# KiCad board demo_matrix2.kicad_pcb (continued)
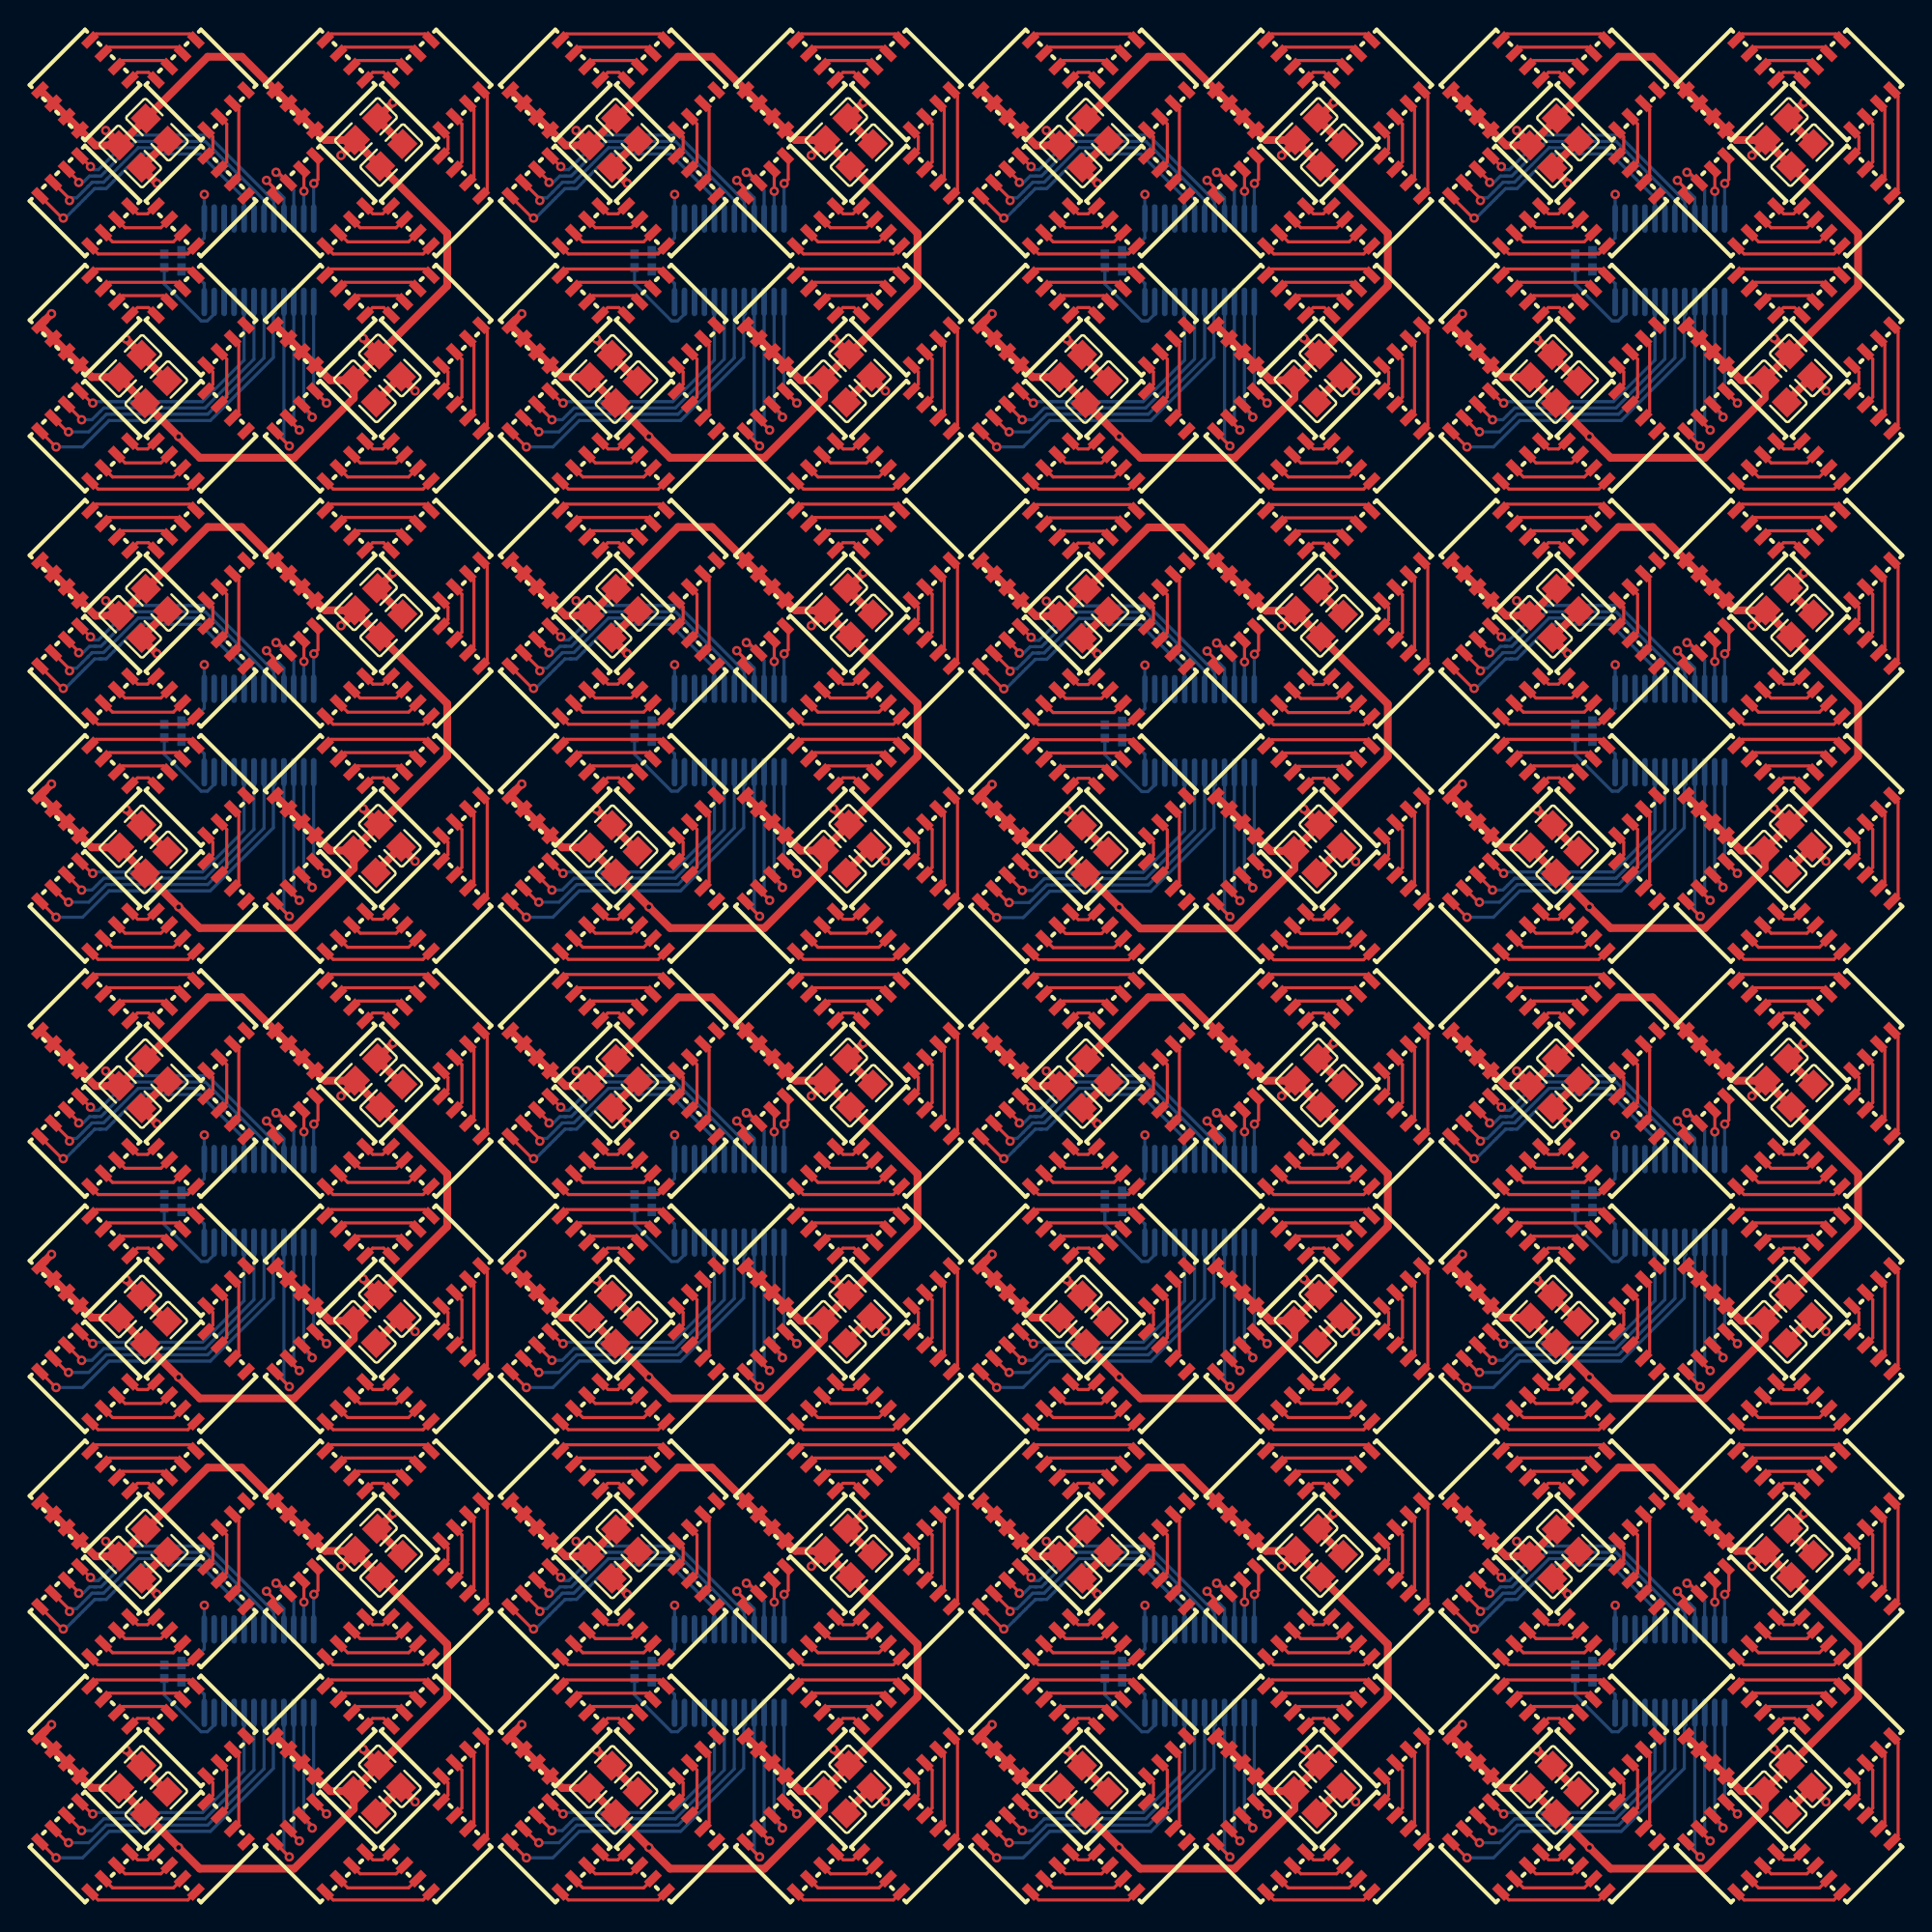
[diagram p0: board, top side]
## Library data of the parts (continued)
LED217 = -: checksum: e446e81c9134d5c555a63f060b9202a9b60d4ef2d8a367ccab16672341e18d4c; __atopile_lib_fp_hash__: b02e2b3c-4bf2-9369-a59f-e82a4e47fbab; LCSC: C22470444; Manufacturer: HONGLITRONIC); Partnumber: HL-5050RGBW-S1-A27; atopile_address: clusters[13].rows[1].pixels[0].rgbs[0].rgbw.package; atopile_subaddresses: [elec/layout/cluster2x2/cluster2x2.kicad_pcb:rows[1].pixels[0].rgbs[0].rgbw.package, elec/layout/pixel15hl5050/pixel15hl5050.kicad_pcb:rgbs[0].rgbw.package, elec/layout/row2/row2.kicad_pcb:pixels[0].rgbs[0].rgbw.package]
LED218 = -: checksum: e446e81c9134d5c555a63f060b9202a9b60d4ef2d8a367ccab16672341e18d4c; __atopile_lib_fp_hash__: b02e2b3c-4bf2-9369-a59f-e82a4e47fbab; LCSC: C22470444; Manufacturer: HONGLITRONIC); Partnumber: HL-5050RGBW-S1-A27; atopile_address: clusters[13].rows[1].pixels[0].rgbs[1].rgbw.package; atopile_subaddresses: [elec/layout/cluster2x2/cluster2x2.kicad_pcb:rows[1].pixels[0].rgbs[1].rgbw.package, elec/layout/pixel15hl5050/pixel15hl5050.kicad_pcb:rgbs[1].rgbw.package, elec/layout/row2/row2.kicad_pcb:pixels[0].rgbs[1].rgbw.package]
LED219 = -: checksum: e446e81c9134d5c555a63f060b9202a9b60d4ef2d8a367ccab16672341e18d4c; __atopile_lib_fp_hash__: b02e2b3c-4bf2-9369-a59f-e82a4e47fbab; LCSC: C22470444; Manufacturer: HONGLITRONIC); Partnumber: HL-5050RGBW-S1-A27; atopile_address: clusters[13].rows[1].pixels[0].rgbs[2].rgbw.package; atopile_subaddresses: [elec/layout/cluster2x2/cluster2x2.kicad_pcb:rows[1].pixels[0].rgbs[2].rgbw.package, elec/layout/pixel15hl5050/pixel15hl5050.kicad_pcb:rgbs[2].rgbw.package, elec/layout/row2/row2.kicad_pcb:pixels[0].rgbs[2].rgbw.package]
LED220 = -: checksum: e446e81c9134d5c555a63f060b9202a9b60d4ef2d8a367ccab16672341e18d4c; __atopile_lib_fp_hash__: b02e2b3c-4bf2-9369-a59f-e82a4e47fbab; LCSC: C22470444; Manufacturer: HONGLITRONIC); Partnumber: HL-5050RGBW-S1-A27; atopile_address: clusters[13].rows[1].pixels[0].rgbs[3].rgbw.package; atopile_subaddresses: [elec/layout/cluster2x2/cluster2x2.kicad_pcb:rows[1].pixels[0].rgbs[3].rgbw.package, elec/layout/pixel15hl5050/pixel15hl5050.kicad_pcb:rgbs[3].rgbw.package, elec/layout/row2/row2.kicad_pcb:pixels[0].rgbs[3].rgbw.package]
LED221 = -: checksum: e446e81c9134d5c555a63f060b9202a9b60d4ef2d8a367ccab16672341e18d4c; __atopile_lib_fp_hash__: b02e2b3c-4bf2-9369-a59f-e82a4e47fbab; LCSC: C22470444; Manufacturer: HONGLITRONIC); Partnumber: HL-5050RGBW-S1-A27; atopile_address: clusters[13].rows[1].pixels[1].rgbs[0].rgbw.package; atopile_subaddresses: [elec/layout/cluster2x2/cluster2x2.kicad_pcb:rows[1].pixels[1].rgbs[0].rgbw.package, elec/layout/pixel15hl5050/pixel15hl5050.kicad_pcb:rgbs[0].rgbw.package, elec/layout/row2/row2.kicad_pcb:pixels[1].rgbs[0].rgbw.package]
LED222 = -: checksum: e446e81c9134d5c555a63f060b9202a9b60d4ef2d8a367ccab16672341e18d4c; __atopile_lib_fp_hash__: b02e2b3c-4bf2-9369-a59f-e82a4e47fbab; LCSC: C22470444; Manufacturer: HONGLITRONIC); Partnumber: HL-5050RGBW-S1-A27; atopile_address: clusters[13].rows[1].pixels[1].rgbs[1].rgbw.package; atopile_subaddresses: [elec/layout/cluster2x2/cluster2x2.kicad_pcb:rows[1].pixels[1].rgbs[1].rgbw.package, elec/layout/pixel15hl5050/pixel15hl5050.kicad_pcb:rgbs[1].rgbw.package, elec/layout/row2/row2.kicad_pcb:pixels[1].rgbs[1].rgbw.package]
LED223 = -: checksum: e446e81c9134d5c555a63f060b9202a9b60d4ef2d8a367ccab16672341e18d4c; __atopile_lib_fp_hash__: b02e2b3c-4bf2-9369-a59f-e82a4e47fbab; LCSC: C22470444; Manufacturer: HONGLITRONIC); Partnumber: HL-5050RGBW-S1-A27; atopile_address: clusters[13].rows[1].pixels[1].rgbs[2].rgbw.package; atopile_subaddresses: [elec/layout/cluster2x2/cluster2x2.kicad_pcb:rows[1].pixels[1].rgbs[2].rgbw.package, elec/layout/pixel15hl5050/pixel15hl5050.kicad_pcb:rgbs[2].rgbw.package, elec/layout/row2/row2.kicad_pcb:pixels[1].rgbs[2].rgbw.package]
LED224 = -: checksum: e446e81c9134d5c555a63f060b9202a9b60d4ef2d8a367ccab16672341e18d4c; __atopile_lib_fp_hash__: b02e2b3c-4bf2-9369-a59f-e82a4e47fbab; LCSC: C22470444; Manufacturer: HONGLITRONIC); Partnumber: HL-5050RGBW-S1-A27; atopile_address: clusters[13].rows[1].pixels[1].rgbs[3].rgbw.package; atopile_subaddresses: [elec/layout/cluster2x2/cluster2x2.kicad_pcb:rows[1].pixels[1].rgbs[3].rgbw.package, elec/layout/pixel15hl5050/pixel15hl5050.kicad_pcb:rgbs[3].rgbw.package, elec/layout/row2/row2.kicad_pcb:pixels[1].rgbs[3].rgbw.package]
LED225 = -: checksum: e446e81c9134d5c555a63f060b9202a9b60d4ef2d8a367ccab16672341e18d4c; __atopile_lib_fp_hash__: b02e2b3c-4bf2-9369-a59f-e82a4e47fbab; LCSC: C22470444; Manufacturer: HONGLITRONIC); Partnumber: HL-5050RGBW-S1-A27; atopile_address: clusters[14].rows[0].pixels[0].rgbs[0].rgbw.package; atopile_subaddresses: [elec/layout/cluster2x2/cluster2x2.kicad_pcb:rows[0].pixels[0].rgbs[0].rgbw.package, elec/layout/pixel15hl5050/pixel15hl5050.kicad_pcb:rgbs[0].rgbw.package, elec/layout/row2/row2.kicad_pcb:pixels[0].rgbs[0].rgbw.package]
LED226 = -: checksum: e446e81c9134d5c555a63f060b9202a9b60d4ef2d8a367ccab16672341e18d4c; __atopile_lib_fp_hash__: b02e2b3c-4bf2-9369-a59f-e82a4e47fbab; LCSC: C22470444; Manufacturer: HONGLITRONIC); Partnumber: HL-5050RGBW-S1-A27; atopile_address: clusters[14].rows[0].pixels[0].rgbs[1].rgbw.package; atopile_subaddresses: [elec/layout/cluster2x2/cluster2x2.kicad_pcb:rows[0].pixels[0].rgbs[1].rgbw.package, elec/layout/pixel15hl5050/pixel15hl5050.kicad_pcb:rgbs[1].rgbw.package, elec/layout/row2/row2.kicad_pcb:pixels[0].rgbs[1].rgbw.package]
LED227 = -: checksum: e446e81c9134d5c555a63f060b9202a9b60d4ef2d8a367ccab16672341e18d4c; __atopile_lib_fp_hash__: b02e2b3c-4bf2-9369-a59f-e82a4e47fbab; LCSC: C22470444; Manufacturer: HONGLITRONIC); Partnumber: HL-5050RGBW-S1-A27; atopile_address: clusters[14].rows[0].pixels[0].rgbs[2].rgbw.package; atopile_subaddresses: [elec/layout/cluster2x2/cluster2x2.kicad_pcb:rows[0].pixels[0].rgbs[2].rgbw.package, elec/layout/pixel15hl5050/pixel15hl5050.kicad_pcb:rgbs[2].rgbw.package, elec/layout/row2/row2.kicad_pcb:pixels[0].rgbs[2].rgbw.package]
LED228 = -: checksum: e446e81c9134d5c555a63f060b9202a9b60d4ef2d8a367ccab16672341e18d4c; __atopile_lib_fp_hash__: b02e2b3c-4bf2-9369-a59f-e82a4e47fbab; LCSC: C22470444; Manufacturer: HONGLITRONIC); Partnumber: HL-5050RGBW-S1-A27; atopile_address: clusters[14].rows[0].pixels[0].rgbs[3].rgbw.package; atopile_subaddresses: [elec/layout/cluster2x2/cluster2x2.kicad_pcb:rows[0].pixels[0].rgbs[3].rgbw.package, elec/layout/pixel15hl5050/pixel15hl5050.kicad_pcb:rgbs[3].rgbw.package, elec/layout/row2/row2.kicad_pcb:pixels[0].rgbs[3].rgbw.package]
LED229 = -: checksum: e446e81c9134d5c555a63f060b9202a9b60d4ef2d8a367ccab16672341e18d4c; __atopile_lib_fp_hash__: b02e2b3c-4bf2-9369-a59f-e82a4e47fbab; LCSC: C22470444; Manufacturer: HONGLITRONIC); Partnumber: HL-5050RGBW-S1-A27; atopile_address: clusters[14].rows[0].pixels[1].rgbs[0].rgbw.package; atopile_subaddresses: [elec/layout/cluster2x2/cluster2x2.kicad_pcb:rows[0].pixels[1].rgbs[0].rgbw.package, elec/layout/pixel15hl5050/pixel15hl5050.kicad_pcb:rgbs[0].rgbw.package, elec/layout/row2/row2.kicad_pcb:pixels[1].rgbs[0].rgbw.package]
LED230 = -: checksum: e446e81c9134d5c555a63f060b9202a9b60d4ef2d8a367ccab16672341e18d4c; __atopile_lib_fp_hash__: b02e2b3c-4bf2-9369-a59f-e82a4e47fbab; LCSC: C22470444; Manufacturer: HONGLITRONIC); Partnumber: HL-5050RGBW-S1-A27; atopile_address: clusters[14].rows[0].pixels[1].rgbs[1].rgbw.package; atopile_subaddresses: [elec/layout/cluster2x2/cluster2x2.kicad_pcb:rows[0].pixels[1].rgbs[1].rgbw.package, elec/layout/pixel15hl5050/pixel15hl5050.kicad_pcb:rgbs[1].rgbw.package, elec/layout/row2/row2.kicad_pcb:pixels[1].rgbs[1].rgbw.package]
LED231 = -: checksum: e446e81c9134d5c555a63f060b9202a9b60d4ef2d8a367ccab16672341e18d4c; __atopile_lib_fp_hash__: b02e2b3c-4bf2-9369-a59f-e82a4e47fbab; LCSC: C22470444; Manufacturer: HONGLITRONIC); Partnumber: HL-5050RGBW-S1-A27; atopile_address: clusters[14].rows[0].pixels[1].rgbs[2].rgbw.package; atopile_subaddresses: [elec/layout/cluster2x2/cluster2x2.kicad_pcb:rows[0].pixels[1].rgbs[2].rgbw.package, elec/layout/pixel15hl5050/pixel15hl5050.kicad_pcb:rgbs[2].rgbw.package, elec/layout/row2/row2.kicad_pcb:pixels[1].rgbs[2].rgbw.package]
LED232 = -: checksum: e446e81c9134d5c555a63f060b9202a9b60d4ef2d8a367ccab16672341e18d4c; __atopile_lib_fp_hash__: b02e2b3c-4bf2-9369-a59f-e82a4e47fbab; LCSC: C22470444; Manufacturer: HONGLITRONIC); Partnumber: HL-5050RGBW-S1-A27; atopile_address: clusters[14].rows[0].pixels[1].rgbs[3].rgbw.package; atopile_subaddresses: [elec/layout/cluster2x2/cluster2x2.kicad_pcb:rows[0].pixels[1].rgbs[3].rgbw.package, elec/layout/pixel15hl5050/pixel15hl5050.kicad_pcb:rgbs[3].rgbw.package, elec/layout/row2/row2.kicad_pcb:pixels[1].rgbs[3].rgbw.package]
LED233 = -: checksum: e446e81c9134d5c555a63f060b9202a9b60d4ef2d8a367ccab16672341e18d4c; __atopile_lib_fp_hash__: b02e2b3c-4bf2-9369-a59f-e82a4e47fbab; LCSC: C22470444; Manufacturer: HONGLITRONIC); Partnumber: HL-5050RGBW-S1-A27; atopile_address: clusters[14].rows[1].pixels[0].rgbs[0].rgbw.package; atopile_subaddresses: [elec/layout/cluster2x2/cluster2x2.kicad_pcb:rows[1].pixels[0].rgbs[0].rgbw.package, elec/layout/pixel15hl5050/pixel15hl5050.kicad_pcb:rgbs[0].rgbw.package, elec/layout/row2/row2.kicad_pcb:pixels[0].rgbs[0].rgbw.package]
LED234 = -: checksum: e446e81c9134d5c555a63f060b9202a9b60d4ef2d8a367ccab16672341e18d4c; __atopile_lib_fp_hash__: b02e2b3c-4bf2-9369-a59f-e82a4e47fbab; LCSC: C22470444; Manufacturer: HONGLITRONIC); Partnumber: HL-5050RGBW-S1-A27; atopile_address: clusters[14].rows[1].pixels[0].rgbs[1].rgbw.package; atopile_subaddresses: [elec/layout/cluster2x2/cluster2x2.kicad_pcb:rows[1].pixels[0].rgbs[1].rgbw.package, elec/layout/pixel15hl5050/pixel15hl5050.kicad_pcb:rgbs[1].rgbw.package, elec/layout/row2/row2.kicad_pcb:pixels[0].rgbs[1].rgbw.package]
LED235 = -: checksum: e446e81c9134d5c555a63f060b9202a9b60d4ef2d8a367ccab16672341e18d4c; __atopile_lib_fp_hash__: b02e2b3c-4bf2-9369-a59f-e82a4e47fbab; LCSC: C22470444; Manufacturer: HONGLITRONIC); Partnumber: HL-5050RGBW-S1-A27; atopile_address: clusters[14].rows[1].pixels[0].rgbs[2].rgbw.package; atopile_subaddresses: [elec/layout/cluster2x2/cluster2x2.kicad_pcb:rows[1].pixels[0].rgbs[2].rgbw.package, elec/layout/pixel15hl5050/pixel15hl5050.kicad_pcb:rgbs[2].rgbw.package, elec/layout/row2/row2.kicad_pcb:pixels[0].rgbs[2].rgbw.package]
LED236 = -: checksum: e446e81c9134d5c555a63f060b9202a9b60d4ef2d8a367ccab16672341e18d4c; __atopile_lib_fp_hash__: b02e2b3c-4bf2-9369-a59f-e82a4e47fbab; LCSC: C22470444; Manufacturer: HONGLITRONIC); Partnumber: HL-5050RGBW-S1-A27; atopile_address: clusters[14].rows[1].pixels[0].rgbs[3].rgbw.package; atopile_subaddresses: [elec/layout/cluster2x2/cluster2x2.kicad_pcb:rows[1].pixels[0].rgbs[3].rgbw.package, elec/layout/pixel15hl5050/pixel15hl5050.kicad_pcb:rgbs[3].rgbw.package, elec/layout/row2/row2.kicad_pcb:pixels[0].rgbs[3].rgbw.package]
LED237 = -: checksum: e446e81c9134d5c555a63f060b9202a9b60d4ef2d8a367ccab16672341e18d4c; __atopile_lib_fp_hash__: b02e2b3c-4bf2-9369-a59f-e82a4e47fbab; LCSC: C22470444; Manufacturer: HONGLITRONIC); Partnumber: HL-5050RGBW-S1-A27; atopile_address: clusters[14].rows[1].pixels[1].rgbs[0].rgbw.package; atopile_subaddresses: [elec/layout/cluster2x2/cluster2x2.kicad_pcb:rows[1].pixels[1].rgbs[0].rgbw.package, elec/layout/pixel15hl5050/pixel15hl5050.kicad_pcb:rgbs[0].rgbw.package, elec/layout/row2/row2.kicad_pcb:pixels[1].rgbs[0].rgbw.package]
LED238 = -: checksum: e446e81c9134d5c555a63f060b9202a9b60d4ef2d8a367ccab16672341e18d4c; __atopile_lib_fp_hash__: b02e2b3c-4bf2-9369-a59f-e82a4e47fbab; LCSC: C22470444; Manufacturer: HONGLITRONIC); Partnumber: HL-5050RGBW-S1-A27; atopile_address: clusters[14].rows[1].pixels[1].rgbs[1].rgbw.package; atopile_subaddresses: [elec/layout/cluster2x2/cluster2x2.kicad_pcb:rows[1].pixels[1].rgbs[1].rgbw.package, elec/layout/pixel15hl5050/pixel15hl5050.kicad_pcb:rgbs[1].rgbw.package, elec/layout/row2/row2.kicad_pcb:pixels[1].rgbs[1].rgbw.package]
LED239 = -: checksum: e446e81c9134d5c555a63f060b9202a9b60d4ef2d8a367ccab16672341e18d4c; __atopile_lib_fp_hash__: b02e2b3c-4bf2-9369-a59f-e82a4e47fbab; LCSC: C22470444; Manufacturer: HONGLITRONIC); Partnumber: HL-5050RGBW-S1-A27; atopile_address: clusters[14].rows[1].pixels[1].rgbs[2].rgbw.package; atopile_subaddresses: [elec/layout/cluster2x2/cluster2x2.kicad_pcb:rows[1].pixels[1].rgbs[2].rgbw.package, elec/layout/pixel15hl5050/pixel15hl5050.kicad_pcb:rgbs[2].rgbw.package, elec/layout/row2/row2.kicad_pcb:pixels[1].rgbs[2].rgbw.package]
LED240 = -: checksum: e446e81c9134d5c555a63f060b9202a9b60d4ef2d8a367ccab16672341e18d4c; __atopile_lib_fp_hash__: b02e2b3c-4bf2-9369-a59f-e82a4e47fbab; LCSC: C22470444; Manufacturer: HONGLITRONIC); Partnumber: HL-5050RGBW-S1-A27; atopile_address: clusters[14].rows[1].pixels[1].rgbs[3].rgbw.package; atopile_subaddresses: [elec/layout/cluster2x2/cluster2x2.kicad_pcb:rows[1].pixels[1].rgbs[3].rgbw.package, elec/layout/pixel15hl5050/pixel15hl5050.kicad_pcb:rgbs[3].rgbw.package, elec/layout/row2/row2.kicad_pcb:pixels[1].rgbs[3].rgbw.package]
LED241 = -: checksum: e446e81c9134d5c555a63f060b9202a9b60d4ef2d8a367ccab16672341e18d4c; __atopile_lib_fp_hash__: b02e2b3c-4bf2-9369-a59f-e82a4e47fbab; LCSC: C22470444; Manufacturer: HONGLITRONIC); Partnumber: HL-5050RGBW-S1-A27; atopile_address: clusters[15].rows[0].pixels[0].rgbs[0].rgbw.package; atopile_subaddresses: [elec/layout/cluster2x2/cluster2x2.kicad_pcb:rows[0].pixels[0].rgbs[0].rgbw.package, elec/layout/pixel15hl5050/pixel15hl5050.kicad_pcb:rgbs[0].rgbw.package, elec/layout/row2/row2.kicad_pcb:pixels[0].rgbs[0].rgbw.package]
LED242 = -: checksum: e446e81c9134d5c555a63f060b9202a9b60d4ef2d8a367ccab16672341e18d4c; __atopile_lib_fp_hash__: b02e2b3c-4bf2-9369-a59f-e82a4e47fbab; LCSC: C22470444; Manufacturer: HONGLITRONIC); Partnumber: HL-5050RGBW-S1-A27; atopile_address: clusters[15].rows[0].pixels[0].rgbs[1].rgbw.package; atopile_subaddresses: [elec/layout/cluster2x2/cluster2x2.kicad_pcb:rows[0].pixels[0].rgbs[1].rgbw.package, elec/layout/pixel15hl5050/pixel15hl5050.kicad_pcb:rgbs[1].rgbw.package, elec/layout/row2/row2.kicad_pcb:pixels[0].rgbs[1].rgbw.package]
LED243 = -: checksum: e446e81c9134d5c555a63f060b9202a9b60d4ef2d8a367ccab16672341e18d4c; __atopile_lib_fp_hash__: b02e2b3c-4bf2-9369-a59f-e82a4e47fbab; LCSC: C22470444; Manufacturer: HONGLITRONIC); Partnumber: HL-5050RGBW-S1-A27; atopile_address: clusters[15].rows[0].pixels[0].rgbs[2].rgbw.package; atopile_subaddresses: [elec/layout/cluster2x2/cluster2x2.kicad_pcb:rows[0].pixels[0].rgbs[2].rgbw.package, elec/layout/pixel15hl5050/pixel15hl5050.kicad_pcb:rgbs[2].rgbw.package, elec/layout/row2/row2.kicad_pcb:pixels[0].rgbs[2].rgbw.package]
LED244 = -: checksum: e446e81c9134d5c555a63f060b9202a9b60d4ef2d8a367ccab16672341e18d4c; __atopile_lib_fp_hash__: b02e2b3c-4bf2-9369-a59f-e82a4e47fbab; LCSC: C22470444; Manufacturer: HONGLITRONIC); Partnumber: HL-5050RGBW-S1-A27; atopile_address: clusters[15].rows[0].pixels[0].rgbs[3].rgbw.package; atopile_subaddresses: [elec/layout/cluster2x2/cluster2x2.kicad_pcb:rows[0].pixels[0].rgbs[3].rgbw.package, elec/layout/pixel15hl5050/pixel15hl5050.kicad_pcb:rgbs[3].rgbw.package, elec/layout/row2/row2.kicad_pcb:pixels[0].rgbs[3].rgbw.package]
LED245 = -: checksum: e446e81c9134d5c555a63f060b9202a9b60d4ef2d8a367ccab16672341e18d4c; __atopile_lib_fp_hash__: b02e2b3c-4bf2-9369-a59f-e82a4e47fbab; LCSC: C22470444; Manufacturer: HONGLITRONIC); Partnumber: HL-5050RGBW-S1-A27; atopile_address: clusters[15].rows[0].pixels[1].rgbs[0].rgbw.package; atopile_subaddresses: [elec/layout/cluster2x2/cluster2x2.kicad_pcb:rows[0].pixels[1].rgbs[0].rgbw.package, elec/layout/pixel15hl5050/pixel15hl5050.kicad_pcb:rgbs[0].rgbw.package, elec/layout/row2/row2.kicad_pcb:pixels[1].rgbs[0].rgbw.package]
LED246 = -: checksum: e446e81c9134d5c555a63f060b9202a9b60d4ef2d8a367ccab16672341e18d4c; __atopile_lib_fp_hash__: b02e2b3c-4bf2-9369-a59f-e82a4e47fbab; LCSC: C22470444; Manufacturer: HONGLITRONIC); Partnumber: HL-5050RGBW-S1-A27; atopile_address: clusters[15].rows[0].pixels[1].rgbs[1].rgbw.package; atopile_subaddresses: [elec/layout/cluster2x2/cluster2x2.kicad_pcb:rows[0].pixels[1].rgbs[1].rgbw.package, elec/layout/pixel15hl5050/pixel15hl5050.kicad_pcb:rgbs[1].rgbw.package, elec/layout/row2/row2.kicad_pcb:pixels[1].rgbs[1].rgbw.package]
LED247 = -: checksum: e446e81c9134d5c555a63f060b9202a9b60d4ef2d8a367ccab16672341e18d4c; __atopile_lib_fp_hash__: b02e2b3c-4bf2-9369-a59f-e82a4e47fbab; LCSC: C22470444; Manufacturer: HONGLITRONIC); Partnumber: HL-5050RGBW-S1-A27; atopile_address: clusters[15].rows[0].pixels[1].rgbs[2].rgbw.package; atopile_subaddresses: [elec/layout/cluster2x2/cluster2x2.kicad_pcb:rows[0].pixels[1].rgbs[2].rgbw.package, elec/layout/pixel15hl5050/pixel15hl5050.kicad_pcb:rgbs[2].rgbw.package, elec/layout/row2/row2.kicad_pcb:pixels[1].rgbs[2].rgbw.package]
LED248 = -: checksum: e446e81c9134d5c555a63f060b9202a9b60d4ef2d8a367ccab16672341e18d4c; __atopile_lib_fp_hash__: b02e2b3c-4bf2-9369-a59f-e82a4e47fbab; LCSC: C22470444; Manufacturer: HONGLITRONIC); Partnumber: HL-5050RGBW-S1-A27; atopile_address: clusters[15].rows[0].pixels[1].rgbs[3].rgbw.package; atopile_subaddresses: [elec/layout/cluster2x2/cluster2x2.kicad_pcb:rows[0].pixels[1].rgbs[3].rgbw.package, elec/layout/pixel15hl5050/pixel15hl5050.kicad_pcb:rgbs[3].rgbw.package, elec/layout/row2/row2.kicad_pcb:pixels[1].rgbs[3].rgbw.package]
LED249 = -: checksum: e446e81c9134d5c555a63f060b9202a9b60d4ef2d8a367ccab16672341e18d4c; __atopile_lib_fp_hash__: b02e2b3c-4bf2-9369-a59f-e82a4e47fbab; LCSC: C22470444; Manufacturer: HONGLITRONIC); Partnumber: HL-5050RGBW-S1-A27; atopile_address: clusters[15].rows[1].pixels[0].rgbs[0].rgbw.package; atopile_subaddresses: [elec/layout/cluster2x2/cluster2x2.kicad_pcb:rows[1].pixels[0].rgbs[0].rgbw.package, elec/layout/pixel15hl5050/pixel15hl5050.kicad_pcb:rgbs[0].rgbw.package, elec/layout/row2/row2.kicad_pcb:pixels[0].rgbs[0].rgbw.package]
LED250 = -: checksum: e446e81c9134d5c555a63f060b9202a9b60d4ef2d8a367ccab16672341e18d4c; __atopile_lib_fp_hash__: b02e2b3c-4bf2-9369-a59f-e82a4e47fbab; LCSC: C22470444; Manufacturer: HONGLITRONIC); Partnumber: HL-5050RGBW-S1-A27; atopile_address: clusters[15].rows[1].pixels[0].rgbs[1].rgbw.package; atopile_subaddresses: [elec/layout/cluster2x2/cluster2x2.kicad_pcb:rows[1].pixels[0].rgbs[1].rgbw.package, elec/layout/pixel15hl5050/pixel15hl5050.kicad_pcb:rgbs[1].rgbw.package, elec/layout/row2/row2.kicad_pcb:pixels[0].rgbs[1].rgbw.package]
LED251 = -: checksum: e446e81c9134d5c555a63f060b9202a9b60d4ef2d8a367ccab16672341e18d4c; __atopile_lib_fp_hash__: b02e2b3c-4bf2-9369-a59f-e82a4e47fbab; LCSC: C22470444; Manufacturer: HONGLITRONIC); Partnumber: HL-5050RGBW-S1-A27; atopile_address: clusters[15].rows[1].pixels[0].rgbs[2].rgbw.package; atopile_subaddresses: [elec/layout/cluster2x2/cluster2x2.kicad_pcb:rows[1].pixels[0].rgbs[2].rgbw.package, elec/layout/pixel15hl5050/pixel15hl5050.kicad_pcb:rgbs[2].rgbw.package, elec/layout/row2/row2.kicad_pcb:pixels[0].rgbs[2].rgbw.package]
LED252 = -: checksum: e446e81c9134d5c555a63f060b9202a9b60d4ef2d8a367ccab16672341e18d4c; __atopile_lib_fp_hash__: b02e2b3c-4bf2-9369-a59f-e82a4e47fbab; LCSC: C22470444; Manufacturer: HONGLITRONIC); Partnumber: HL-5050RGBW-S1-A27; atopile_address: clusters[15].rows[1].pixels[0].rgbs[3].rgbw.package; atopile_subaddresses: [elec/layout/cluster2x2/cluster2x2.kicad_pcb:rows[1].pixels[0].rgbs[3].rgbw.package, elec/layout/pixel15hl5050/pixel15hl5050.kicad_pcb:rgbs[3].rgbw.package, elec/layout/row2/row2.kicad_pcb:pixels[0].rgbs[3].rgbw.package]
LED253 = -: checksum: e446e81c9134d5c555a63f060b9202a9b60d4ef2d8a367ccab16672341e18d4c; __atopile_lib_fp_hash__: b02e2b3c-4bf2-9369-a59f-e82a4e47fbab; LCSC: C22470444; Manufacturer: HONGLITRONIC); Partnumber: HL-5050RGBW-S1-A27; atopile_address: clusters[15].rows[1].pixels[1].rgbs[0].rgbw.package; atopile_subaddresses: [elec/layout/cluster2x2/cluster2x2.kicad_pcb:rows[1].pixels[1].rgbs[0].rgbw.package, elec/layout/pixel15hl5050/pixel15hl5050.kicad_pcb:rgbs[0].rgbw.package, elec/layout/row2/row2.kicad_pcb:pixels[1].rgbs[0].rgbw.package]
LED254 = -: checksum: e446e81c9134d5c555a63f060b9202a9b60d4ef2d8a367ccab16672341e18d4c; __atopile_lib_fp_hash__: b02e2b3c-4bf2-9369-a59f-e82a4e47fbab; LCSC: C22470444; Manufacturer: HONGLITRONIC); Partnumber: HL-5050RGBW-S1-A27; atopile_address: clusters[15].rows[1].pixels[1].rgbs[1].rgbw.package; atopile_subaddresses: [elec/layout/cluster2x2/cluster2x2.kicad_pcb:rows[1].pixels[1].rgbs[1].rgbw.package, elec/layout/pixel15hl5050/pixel15hl5050.kicad_pcb:rgbs[1].rgbw.package, elec/layout/row2/row2.kicad_pcb:pixels[1].rgbs[1].rgbw.package]
LED255 = -: checksum: e446e81c9134d5c555a63f060b9202a9b60d4ef2d8a367ccab16672341e18d4c; __atopile_lib_fp_hash__: b02e2b3c-4bf2-9369-a59f-e82a4e47fbab; LCSC: C22470444; Manufacturer: HONGLITRONIC); Partnumber: HL-5050RGBW-S1-A27; atopile_address: clusters[15].rows[1].pixels[1].rgbs[2].rgbw.package; atopile_subaddresses: [elec/layout/cluster2x2/cluster2x2.kicad_pcb:rows[1].pixels[1].rgbs[2].rgbw.package, elec/layout/pixel15hl5050/pixel15hl5050.kicad_pcb:rgbs[2].rgbw.package, elec/layout/row2/row2.kicad_pcb:pixels[1].rgbs[2].rgbw.package]
LED256 = -: checksum: e446e81c9134d5c555a63f060b9202a9b60d4ef2d8a367ccab16672341e18d4c; __atopile_lib_fp_hash__: b02e2b3c-4bf2-9369-a59f-e82a4e47fbab; LCSC: C22470444; Manufacturer: HONGLITRONIC); Partnumber: HL-5050RGBW-S1-A27; atopile_address: clusters[15].rows[1].pixels[1].rgbs[3].rgbw.package; atopile_subaddresses: [elec/layout/cluster2x2/cluster2x2.kicad_pcb:rows[1].pixels[1].rgbs[3].rgbw.package, elec/layout/pixel15hl5050/pixel15hl5050.kicad_pcb:rgbs[3].rgbw.package, elec/layout/row2/row2.kicad_pcb:pixels[1].rgbs[3].rgbw.package]
R1 = -: Datasheet: https://www.lcsc.com/datasheet/lcsc_datasheet_2411221126_UNI-ROYAL-Uniroyal-Elec-0402WGF1002TCE_C25744.pdf; checksum: 6794d27730a4ff2200dab6be287e37b344d99a421712ea6a3ee1068f57fa7c12; __atopile_lib_fp_hash__: f67d9541-b893-78ac-aa2d-47e1c8a7e46a; LCSC: C25744; Manufacturer: UNI-ROYAL(Uniroyal Elec); Partnumber: 0402WGF1002TCE; PARAM_max_power: {"type": "Quantity_Set_Discrete", "data": {"intervals": {"type": "Numeric_Interval_Disjoint", "data": {"intervals": [{"type": "Numeric_Interval", "data": {"min": 0.0625, "max": 0.0625}}]}}, "unit": "watt"}}; PARAM_max_voltage: {"type": "Quantity_Set_Discrete", "data": {"intervals": {"type": "Numeric_Interval_Disjoint", "data": {"intervals": [{"type": "Numeric_Interval", "data": {"min": 50.0, "max": 50.0}}]}}, "unit": "volt"}}; PARAM_resistance: {"type": "Quantity_Interval_Disjoint", "data": {"intervals": {"type": "Numeric_Interval_Disjoint", "data": {"intervals": [{"type": "Numeric_Interval", "data": {"min": 9900.000002235174, "max": 10099.999997764826}}]}}, "unit": "ohm"}}; atopile_address: clusters[0].driver.rext_resistor; atopile_subaddresses: [elec/layout/cluster2x2/cluster2x2.kicad_pcb:driver.rext_resistor, elec/src/macroblock-mbi5043/layouts/default/default.kicad_pcb:rext_resistor]
R2 = -: Datasheet: https://www.lcsc.com/datasheet/lcsc_datasheet_2411221126_UNI-ROYAL-Uniroyal-Elec-0402WGF1002TCE_C25744.pdf; checksum: 6794d27730a4ff2200dab6be287e37b344d99a421712ea6a3ee1068f57fa7c12; __atopile_lib_fp_hash__: f67d9541-b893-78ac-aa2d-47e1c8a7e46a; LCSC: C25744; Manufacturer: UNI-ROYAL(Uniroyal Elec); Partnumber: 0402WGF1002TCE; PARAM_max_power: {"type": "Quantity_Set_Discrete", "data": {"intervals": {"type": "Numeric_Interval_Disjoint", "data": {"intervals": [{"type": "Numeric_Interval", "data": {"min": 0.0625, "max": 0.0625}}]}}, "unit": "watt"}}; PARAM_max_voltage: {"type": "Quantity_Set_Discrete", "data": {"intervals": {"type": "Numeric_Interval_Disjoint", "data": {"intervals": [{"type": "Numeric_Interval", "data": {"min": 50.0, "max": 50.0}}]}}, "unit": "volt"}}; PARAM_resistance: {"type": "Quantity_Interval_Disjoint", "data": {"intervals": {"type": "Numeric_Interval_Disjoint", "data": {"intervals": [{"type": "Numeric_Interval", "data": {"min": 9900.000002235174, "max": 10099.999997764826}}]}}, "unit": "ohm"}}; atopile_address: clusters[1].driver.rext_resistor; atopile_subaddresses: [elec/layout/cluster2x2/cluster2x2.kicad_pcb:driver.rext_resistor, elec/src/macroblock-mbi5043/layouts/default/default.kicad_pcb:rext_resistor]
